# KiCad board SHVC-CPU-01.kicad_pcb (continued)
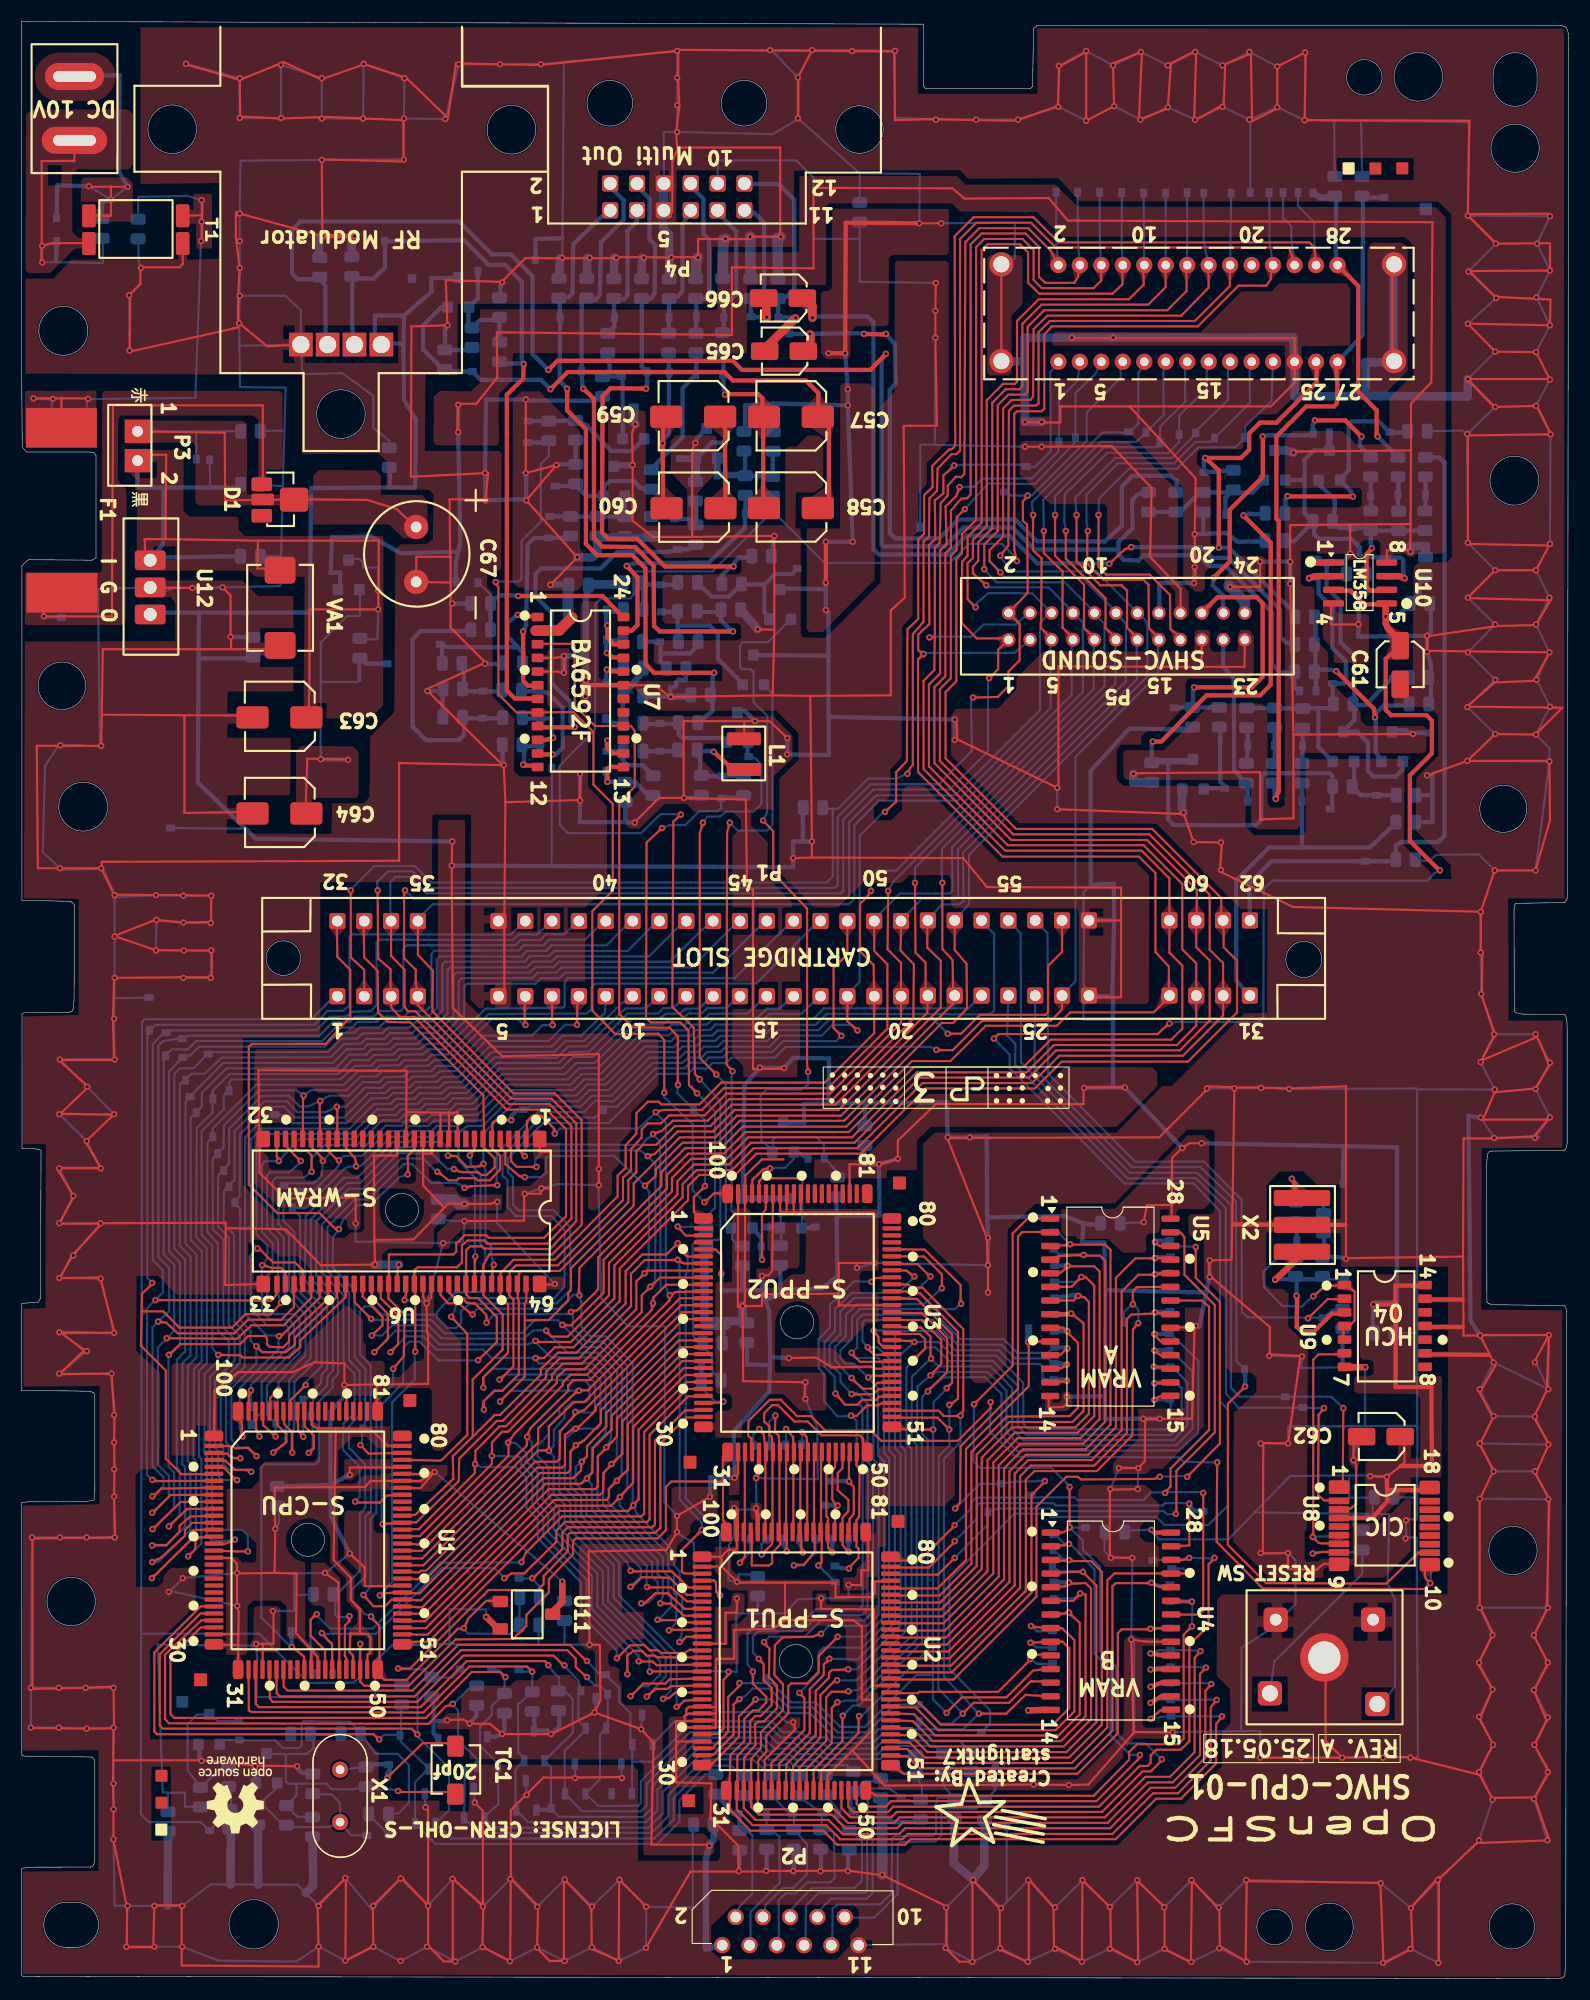
[diagram p0: board, top side]
## Routing (per net, layer and track width the routed paths; a pad name or vN(x,y) marks a point on that pad's centre or on a via; arc(x,y) is an arc through that point) (continued)
C.D1: length 254.5
  Top w0.2: 63.53,26.64 60.88,26.61 60.33,26.11 59.84,26.11 v1(59.76,26.03) ; v1(80.73,101.26) 80.68,95.81 81.93,94.56 P1.20 81.93,88.98 75.34,82.38 65.66,82.38 63.63,80.36 60.32,80.36 59.58,79.61 58.33,79.61 57.78,79.06 57.78,78.31 56.78,77.21 56.78,75.26 56.03,74.56 56.03,72.46 49.96,66.39 46.06,66.39 45.48,65.81 45.48,65.46 ; 106.42,159.46 106.58,158.56 106.58,157.46 104.96,155.84 95.03,155.84 93.23,154.04 93.23,148.26 92.98,147.96 91.68,147.96 90.43,146.71 90.43,135.01 89.13,133.71 89.13,132.01 88.63,131.41 88.63,130.81 v1(89.88,129.71) ; 45.41,64.91 45.43,63.61 45.83,63.21 45.83,57 44.59,55.76 v1(44.53,55.76) ; U3.14 61.54,62.04 52.42,52.91 52.33,52.91 51.68,52.61 50.18,50.91 50.13,48.36 49.83,48.11 47.84,48.11 37.69,37.96 37.23,37.96 37.03,37.81 36.68,37.81 35.63,37.94
  Bottom w0.2: v1(44.53,55.76) 45.03,56.24 52.65,56.24 53.4,55.49 53.43,52.96 53.2,52.69 51.58,52.71 51.2,52.06 50.1,50.94 50.1,45.31 51.13,44.29 51.13,42.56 55.18,38.49 55.15,35.46 60.5,30.04 60.48,26.81 v1(59.76,26.03) ; P6.12 TP160.1 ; 89.9,129.71 90.1,129.51 95.66,129.51 97.95,127.22 P5.8 ; 98.15,126.96 98.86,126.25 98.86,119.77 81.23,102.14 v1(80.73,101.26)
  vias: v1(51.59,52.75)
C.D2: length 235.1
  Top w0.2: v1(58.25,26.24) 58.31,26.24 59.03,26.96 60.18,26.96 60.48,27.21 63.53,27.29 ; U6.62 46.38,65.71 46.54,65.87 50.14,65.87 56.53,72.26 56.53,74.31 57.28,75.06 57.28,77.01 57.88,77.61 59.11,77.61 60.86,79.36 64.18,79.36 66.17,81.36 75.82,81.36 84.38,89.91 P1.21 84.21,91.73 84.21,94.58 83.28,95.51 v1(83.23,102.01) ; v1(96.28,136.26) 96.28,132.46 98.98,129.76 98.98,125.71 99.63,125.11 P5.9 ; U3.13 61.44,62.69 52.41,53.66 51.48,53.66 49.13,51.41 49.13,49.16 48.13,49.16 37.43,38.47 35.74,38.47 35.63,38.59 ; 46.21,64.91 46.23,63.31 46.33,63.06 46.33,56.24 44.79,54.71 44.08,54.71 43.03,53.71 42.98,52.91
  Bottom w0.2: v1(43.08,52.96) 43.08,53.8 44.02,54.74 44.78,54.74 45.83,55.74 52.45,55.69 52.9,55.24 52.9,53.96 52.65,53.71 51.35,53.71 50.6,53.06 50.58,52.19 49.6,51.11 49.58,49.56 49.18,49.16 49.6,48.54 49.55,45.14 50.6,44.14 50.6,42.31 54.68,38.19 54.63,35.14 60,29.84 60,28.09 58.25,26.26 ; 105.83,142.71 105.65,142.56 100.83,142.56 96.28,138.01 v1(96.28,136.26) ; 99.88,124.51 99.88,120.05 83.23,103.4 v1(83.23,102.01) ; P6.13 108.38,149.71 108.4,146.79 106.08,144.51 106.05,143.46 106.05,143.09
  vias: v1(49.14,49.14)
C.D3: length 262.7
  Top w0.2: 85.78,101.81 85.78,95.86 86.73,94.81 86.78,92.31 P1.22 86.93,90.91 76.35,80.33 66.65,80.33 64.63,78.31 61.33,78.31 57.03,74.01 57.03,71.96 51.18,66.11 51.18,64.21 51.13,64.01 50.93,63.81 50.93,63.11 49.13,61.31 46.88,61.26 ; v1(56.73,26.28) 56.74,26.28 57.93,27.46 59.98,27.46 60.38,27.86 63.53,27.94 ; 46.88,61.26 46.88,56.03 44.58,53.73 v1(44.58,53.71) ; 46.88,61.26 46.88,62.86 47.03,63.06 47.03,64.41 ; v1(89.68,131.21) 89.68,133.5 90.93,134.76 90.93,146.47 91.93,147.46 93.53,147.46 93.73,147.76 93.73,153.77 95.27,155.32 106.73,155.32 108.53,157.11 108.53,158.31 108.42,159.46 ; 35.63,39.24 36.53,39.11 37.33,39.11 48.13,49.91 48.13,51.21 51.83,54.76 52.76,54.76 61.34,63.34 U3.12
  Bottom w0.2: v1(85.78,102.01) 85.7,103.01 85.75,105.19 100.88,120.31 100.88,126.14 99.88,127.14 ; v1(56.73,26.28) 57.75,27.21 58.38,27.21 59.5,28.31 59.48,29.56 54.18,34.91 54.15,37.91 50.05,42.04 50.1,43.74 49.1,44.84 49.1,47.61 48.08,48.64 48.08,49.61 49.1,50.66 49.1,51.39 50.1,52.41 50.1,53.19 51.9,54.74 45.53,54.71 v1(44.58,53.71) ; 89.6,131.26 90.8,129.99 97.18,129.99 99.95,127.22 P5.10 ; P6.14 TP159.1
  vias: v1(51.92,54.73)
C.D4: length 213.3
  Top w0.2: v1(97.28,134.76) 97.28,132.2 100.98,128.5 100.98,125.71 101.53,125.21 P5.11 ; 63.53,28.59 58.53,28.59 v1(58.52,28.58) ; v1(59.08,80.66) 59.78,80.86 63.39,80.86 65.42,82.9 75.11,82.9 80.66,88.44 80.66,94.43 79.43,95.66 P1.50 ; 47.01,78.41 47.08,79.06 47.08,79.81 47.63,80.36 48.38,80.36 49.63,79.11 49.63,78.71 ; U3.11 60.93,63.91 60.38,63.51 60.38,63.15 52.94,55.71 51.42,55.71 50.93,55.22 50.93,54.71 47.43,51.26 47.08,50.51 47.08,49.62 37.26,39.81 36.63,39.81 35.63,39.89
  Bottom w0.2: 60.33,63.71 60.03,64.39 60.03,79.66 59.05,80.59 57.45,79.14 50.15,79.14 v1(49.68,78.66) ; 58.48,28.54 58.48,29.81 53.63,34.66 53.65,37.71 49.58,41.79 49.6,43.59 48.55,44.56 48.58,47.41 47.55,48.44 47.55,49.89 v1(47.11,50.43) ; 101.88,124.94 101.9,120.56 86.68,105.31 86.73,101.29 86.45,101.01 81.81,101.01 79.43,98.63 P1.50 ; P6.15 110.4,149.66 110.4,148.04 107.85,145.54 107.83,144.34 107.83,143.96 ; 107.83,143.51 107.83,143.06 106.83,142.01 101.15,142.04 97.18,138.19 97.13,135.81 v1(97.28,134.76)
  vias: v1(60.38,63.61)
C.D5: length 245
  Top w0.2: 110.42,159.46 110.58,158.51 110.58,157.41 108.03,154.81 95.58,154.81 94.28,153.56 94.23,147.26 93.98,146.96 92.22,146.96 91.44,146.17 91.44,134.24 90.18,132.98 90.18,131.96 v1(91.18,130.91) ; 63.53,64.64 63.48,64.59 60.06,64.59 58.83,63.35 58.83,62.81 58.73,62.26 52.68,56.21 51.15,56.21 50.43,55.48 50.43,55.24 45.95,50.76 v1(45.33,49.89) ; 45.38,49.96 45.38,48.68 37.11,40.41 36.83,40.41 35.63,40.54 ; P1.51 81.93,97.46 81.88,95.71 83.13,94.41 83.08,89.36 75.59,81.87 65.94,81.87 63.93,79.86 60.68,79.86 59.63,78.91 v1(58.82,78.62) ; 46.78,76.61 46.18,77.41 46.21,78.41 ; v1(57.49,29.54) 57.51,29.51 58.78,29.51 59.18,29.16 63.53,29.24
  Bottom w0.2: 110.1,165.86 110.13,161.66 P6.16 ; P1.51 83.83,100.51 86.93,100.49 87.25,100.81 87.23,105.11 102.87,120.75 102.87,126.15 101.98,127.04 ; 46.85,76.59 46.83,77.16 47.4,77.66 57.78,77.61 58.25,78.16 58.85,78.54 59.48,77.91 59.53,64.09 58.85,63.41 v1(58.83,62.86) ; v1(45.33,49.89) 46,49.86 47.05,48.89 47.05,48.09 48.08,47.14 48.03,44.31 49.08,43.24 49.05,41.56 53.15,37.46 53.1,34.41 57.48,30.04 57.48,29.61 ; 91.15,130.89 91.54,130.49 98.69,130.49 101.95,127.23 P5.12
  vias: v1(46.88,76.56)
C.D6: length 218.6
  Top w0.2: 45.41,78.41 45.38,77.66 45.58,77.31 45.63,76.06 46.13,75.56 v1(47.98,75.56) ; v1(58.33,76.56) 58.98,76.76 61.13,78.86 64.43,78.86 66.43,80.86 76.1,80.86 85.63,90.38 85.63,94.76 84.38,95.96 84.38,97.56 P1.52 ; 98.28,136.11 98.28,131.96 100.48,129.71 102.48,129.71 102.99,129.2 102.99,125.75 103.53,125.21 P5.13 ; v1(56.44,28.32) 56.43,28.34 56.43,30.06 57.03,30.51 57.78,30.51 58.23,30.06 58.98,30.06 59.23,29.91 63.53,29.89 ; 62.83,65.21 62.78,65.26 59.47,65.26 58.63,64.41 57.78,63.61 57.78,62.06 52.42,56.71 50.68,56.71 49.88,55.96 49.88,55.46 45.33,50.91 44.78,50.91 43.83,49.91 43.83,47.92 37.1,41.19 35.63,41.19
  Bottom w0.2: v1(56.44,28.32) 56.45,30.29 52.63,34.21 52.63,37.16 48.6,41.24 48.6,43.01 47.58,44.06 47.58,46.84 46.55,47.84 46.55,48.39 46.43,48.54 46.18,48.59 v1(43.81,48.66) ; P6.17 112.38,149.59 112.38,146.94 109.63,144.29 ; v1(58.58,64.41) 59.03,64.94 59.05,75.84 v1(58.33,76.56) 57.6,77.11 48.65,77.06 47.88,76.24 47.83,75.66 ; v1(98.28,136.26) 98.15,137.86 101.88,141.56 107.18,141.56 109.03,143.46 109.18,143.61 ; 103.88,124.24 103.9,120.96 87.7,104.84 87.75,100.31 87.35,100.01 85.7,99.99 P1.52
C.D7: length 250.7
  Top w0.2: 58.03,73.76 59.08,74.71 59.08,75.31 61.58,77.82 64.88,77.82 66.91,79.85 76.61,79.85 85.73,88.96 86.78,88.96 88.08,90.31 88.03,94.46 86.93,95.76 P1.53 ; 44.61,78.41 44.63,77.36 45.08,76.86 45.08,75.81 46.38,74.71 46.68,74.61 ; 35.63,41.84 37.01,41.84 42.23,47.05 42.23,47.86 v1(42.25,47.88) 42.28,47.91 42.28,49.11 44.53,51.41 45.13,51.41 49.43,55.81 49.43,56.25 50.42,57.24 52.19,57.24 57.28,62.32 57.28,64.91 57.98,65.56 58.33,65.91 63.5,65.91 U3.8 ; 112.42,159.46 112.56,159.31 112.56,157.58 109.3,154.31 95.78,154.31 94.74,153.27 94.74,146.66 94.52,146.44 92.45,146.44 91.98,145.96 91.93,133.41 v1(91.18,132.46) ; 63.53,30.54 62.28,30.61 61.73,30.31 59.58,30.31 59.28,30.56 58.53,30.56 57.98,31.06 56.68,31.01 v1(55.46,29.81)
  Bottom w0.2: 55.48,29.84 55.45,30.54 52.15,33.84 52.13,36.89 48.1,40.99 48.08,42.76 47.03,43.84 47.05,46.61 46.03,47.61 42.83,47.61 v1(42.25,47.88) ; P5.14 100.13,131.01 92.35,130.99 91.18,132.34 ; P6.18 112.68,165.81 ; v1(46.88,74.61) 48.35,74.61 48.88,74.99 48.85,76.41 49.1,76.56 55.2,76.59 v1(58.08,73.81) 58.48,73.24 58.4,66.14 57.98,65.71 ; 104.1,127.04 104.88,126.26 104.88,121.24 88.25,104.61 88.25,100.04 P1.53
  vias: v1(58.03,65.66)
C.RD: length 111
  Top w0.2: v1(26.24,50.44) 25.78,50.96 U1.92 ; 42.21,64.91 42.23,66.81 v1(42.28,67.21)
  Bottom w0.2: 40.68,78.86 38.91,78.87 38.4,78.36 36.59,78.36 36.09,77.86 34.59,77.86 31.29,74.56 30.05,74.56 26.48,70.99 26.4,64.99 28.48,62.91 28.48,56.76 27.98,56.26 27.9,55.44 26.7,54.21 26.33,53.74 ; 40.68,78.86 40.93,78.86 41.53,79.38 43,79.38 45.81,82.2 51.66,82.2 52.7,83.24 54.45,83.24 58.05,86.79 60.75,86.71 61.3,87.26 62.58,87.26 63.05,87.79 64.36,87.79 64.84,88.26 68.9,88.26 69.9,89.29 73.75,89.34 74.74,90.32 88.19,90.32 89.33,91.46 ; 40.68,78.86 40.73,76.14 42.25,74.54 42.23,68.06 v1(42.28,67.21) ; 89.05,91.09 89.05,91.16 ; 26.23,53.89 26.23,53.34 v1(26.24,50.44) ; 89.28,91.41 89.38,91.41
C.RW: length 123.6
  Top w0.2: v1(43.99,66.45) 43.88,66.33 43.88,65.86 43.81,64.91 ; U1.91 26.38,51.41 27.23,50.56 27.23,49.36 v1(26.75,48.94) ; v1(43.04,75.85) 42.91,75.85 42.68,75.61 41.48,75.56 40.53,76.56 v1(39.73,76.61)
  Bottom w0.2: 89.33,98.46 90.6,97.26 90.6,90.09 90.5,90.01 90.3,89.84 90.1,89.76 75.03,89.81 73.95,88.79 70.23,88.79 69.13,87.79 65.13,87.76 64.6,87.29 63.35,87.29 62.83,86.79 61.58,86.76 61.03,86.24 58.3,86.26 54.68,82.71 52.93,82.71 51.8,81.66 46.03,81.69 43.03,78.66 43.03,75.86 43.23,75.25 43.23,68.74 43.75,68.16 43.75,67.39 v1(43.99,66.45) ; v1(39.73,76.61) 39.68,77.36 39.13,77.89 36.9,77.86 36.45,77.41 34.85,77.34 31.58,74.09 30.33,74.06 26.95,70.69 26.95,65.17 29,63.11 29,56.59 28.5,56.06 28.48,55.21 27.15,53.89 27.08,52.84 27.08,52.46 27.1,51.79 27.13,49.41 v1(26.75,48.94)
CHR.0: length 9
  Top w0.2: 75.85,49.01 75.78,47.56 75.53,47.31 75.53,44.61 75.88,43.96 ; v1(76.03,44.03) 75.78,43.78 75.78,41.61 U2.85
  Bottom w0.4: TP205.1 75.98,44.06
CHR.1: length 11.6
  Top w0.2: U3.47 76.48,47.51 76.03,47.06 76.03,45.46 77.03,44.56 77.03,43.51 76.48,42.91 76.5,41.56 76.48,40.36 77.03,39.66
  Bottom w0.4: TP202.1 77.03,39.66
  vias: v1(77.09,39.71)
CHR.2: length 9.4
  Top w0.2: 77.15,41.56 77.13,42.76 77.53,43.26 77.53,45.76 77.08,46.21 77.08,48.94 U3.48
  Bottom w0.4: TP206.1 77.03,46.31
  vias: v1(77.09,46.27)
CHR.3: length 12.7
  Top w0.2: U3.49 77.77,48.98 77.77,47.82 78.08,47.51 78.03,43.01 77.78,42.66 77.8,41.56 77.78,40.21 77.98,40.01 77.98,39.16 77.08,38.26
  Bottom w0.4: 77.03,38.16 76.38,38.21 TP203.1
  vias: v1(77.08,38.16)
CI.D1: length 69.4
  Top w0.2: v1(121.33,53.11) 120.83,52.46 120.78,45.01 121.33,44.51 121.98,44.51 U8.2
  Bottom w0.2: P1.24 91.8,87.79 92.58,87.04 92.55,85.06 103.05,74.49 109.4,74.51 112.18,71.74 112.2,54.46 113.35,53.14 118.63,53.14 119.23,53.11 ; 119.93,53.14 TP147.1 ; 119.93,53.14 v1(121.33,53.11) ; 119.93,53.14 119.83,53.14
CI.D2: length 74.3
  Top w0.2: U8.1 123.08,46.11 123.13,52.91
  Bottom w0.2: v1(123.13,53.11) 122,54.16 TP148.1 113.48,54.16 112.65,54.99 112.7,71.99 109.5,75.01 103.23,75.01 93.1,85.29 93.08,97.29 P1.55
CI.RST: length 84.6
  Top w0.2: U8.11 130.13,39.66 127.13,36.76 115.93,36.81 112.37,40.37 112.37,53.51 113.93,55.06 113.98,55.06
  Bottom w0.2: 113.58,57.06 113.18,57.49 113.13,72.34 109.83,75.54 103.45,75.54 94.35,84.71 P1.25
  Bottom w0.4: v1(113.98,55.11) 113.98,55.12 113.98,56.66 TP149.1
CLK: length 24.6
  Top w0.2: U9.6 122.78,58.11 120.82,58.11 120.32,57.62 120.32,41.16 v1(120.28,41.11) 120.83,40.56 121.13,40.51 122.53,40.5
  Bottom w0.2: v1(120.28,41.11) 122.53,41.21 TP195.1
CLR0: length 10.7
  Top w0.2: U3.41 72.55,48.96 72.55,41.62 72.6,41.56 72.63,40.11 v1(72.78,39.66)
  Bottom w0.4: 72.78,39.71 72.49,40.51 TP199.1
CLR1: length 10.7
  Top w0.2: 73.25,41.56 73.19,41.63 73.19,48.95 U3.42 73.13,50.41 v1(72.73,50.86)
  Bottom w0.2: v1(72.73,50.86) 72.73,49.96 TP114.1
CLR2: length 15.7
  Top w0.2: U3.43 73.82,48.93 73.82,41.64 73.9,41.56 73.88,39.71 72.88,38.51 71.93,38.51
  Bottom w0.2: TP200.1 73.98,39.71 72.78,38.46 71.93,38.46
  vias: v1(71.94,38.46)
CO: length 17.7
  Top w0.4: v1(46.73,125.41) 46.73,120.81 47.18,120.36 47.53,120.36
  Bottom w0.4: 48.93,134.11 47.83,134.11 47.65,134.01 47.15,133.51 47,125.99 v1(46.73,125.41) ; TP63.1 50.99,134.14
COMP: length 12.9
  Bottom w0.4: P4.9 64.84,164.4 66.58,162.66 66.58,156.86 66.13,156.36 65.38,156.36 ; 65.44,156.24 TP19.1 65.38,153.28
CS: length 13.2
  Bottom w0.4: 55.18,156.39 TP31.1 55.23,153.81 R25.1 ; 55.18,156.31 56.13,156.34 56.45,156.74 56.45,162.7 57.34,163.58 P4.3
CSYNC: length 93.4
  Top w0.2: U3.100 64.53,73.11 v1(63.63,72.26) ; v1(44.18,130.01) 44.43,129.51 44.43,119.56 46.12,117.87 U7.8 51.41,117.91 53.28,116.05 53.28,111.15 55.08,109.35 55.08,101.28 53.18,99.38 53.18,90.11 55.33,87.91 59.33,87.96 59.88,87.36 v1(59.88,82.46)
  Bottom w0.2: v1(59.88,82.46) 59.85,82.44 59.85,82.06 62.53,79.54 62.53,73.39 v1(63.63,72.26) ; 49.13,142.71 49.13,141.76 48.38,140.99 48.38,135.61 46.58,133.84 46.58,130.24 46.2,130.04 44.53,130.06 v1(44.18,130.01)
  Bottom w0.4: R22.2 48.7,142.99 TP51.1
DC+: length 36
  Top w0.2: 8.33,166.81 6.28,166.81 ; 8.33,166.81 9.78,166.81 ; 8.33,166.81 8.33,164.11 T1.1
  Bottom w0.2: v1(9.88,166.81) v1(8.33,165.61) v1(6.28,166.86)
  Bottom w0.4: 8.23,165.56 8.33,165.71 7.48,165.27 C30.1 ; v1(9.88,166.81) 9.08,168.21 9.15,177.21 J1.1 ; TP236.1 3.33,166.96 6.28,166.85
DC-: length 30.1
  Top w0.2: 1.83,159.71 1.88,161.26 1.88,169.21 4.93,169.21 J1.2 ; v1(1.93,161.31) 2.88,161.56 6.58,161.56
  Bottom w0.2: v1(1.93,161.31) v1(1.93,159.76) 2.83,159.79 3.19,159.79 7.58,159.71 7.58,161.71
  Bottom w0.4: TP235.1 3.23,159.96
DCK: length 42.1
  Top w0.2: P5.17 107.63,125.16 107.03,125.61 106.98,128.81 105.08,130.71 101.03,130.71 100.33,131.41 100.33,136.11
  Bottom w0.2: P6.21 116.43,146.86 113.98,144.49 113.98,143.71 ; v1(100.33,136.26) 100.35,137.76 103.15,140.56 107.64,140.56 109.63,142.56 113.06,142.56 113.66,143.16 113.83,143.16
EXP: length 165.4
  Top w0.2: 82.58,112.41 83.03,113.01 83.03,125.16 84.03,126.31 84.03,133.76 84.53,134.21 84.58,137.81 85.28,138.51 85.33,140.56 86.63,141.91 87.08,141.91 87.42,142.26 87.42,161.94 88.94,163.46 94.04,163.46 96.34,161.16 118.08,161.16 P6.24 ; P1.2 31.93,93.91 30.68,95.06 v1(30.68,101.31)
  Bottom w0.2: P6.24 118.3,161.74 118.28,163.14 117.5,163.96 TP154.1 ; 75.58,108.86 75.58,102.61 75,102.04 38.18,102.04 36.65,103.56 32.86,103.56 30.68,101.38 v1(30.68,101.31) ; 75.58,108.86 75.53,108.91 74.74,108.91 R97.2 ; 75.58,108.86 75.62,108.91 76.05,108.91 78.85,111.71 81.5,111.71 82.5,112.19
  Bottom w0.4: 74.68,109.05 R97.2
  vias: v1(82.53,112.16)
EXT0: length 88.2
  Top w0.2: 66.88,27.46 66.88,27.26 65.83,26.21 65.83,22.96 64.33,21.41 63.53,21.44 ; U3.69 83.43,63.26 86.68,59.96 86.68,55.46 v1(86.18,54.96) ; 95.43,28.82 94.23,28.66 91.73,26.17 87.58,26.17 86.18,24.76 ; 84.88,51.11 82.33,51.11 U3.51
  Bottom w0.2: v1(86.18,54.96) 86.18,54.89 84.98,53.69 84.93,51.19 84.9,28.24 ; 69.88,27.49 69.91,27.49 71.68,25.71 73.98,25.71 76.26,23.43 78.55,23.43 83.35,28.24 84.9,28.24 ; 84.9,28.24 84.9,28.24 84.9,26 v1(86.17,24.73) ; v1(66.88,27.51) 69.48,27.5 ; 69.48,27.5 69.42,28 ; 69.48,27.5 69.83,27.5
  vias: v1(84.93,51.11)
EXT1: length 92
  Top w0.2: v1(87.68,24.66) 88.68,25.66 91.99,25.66 93.84,27.51 94.03,27.66 94.28,27.66 ; 94.28,27.66 95.32,27.66 95.43,27.55 ; 94.28,27.66 94.17,27.66 ; 86.48,53.41 87.23,53.96 87.23,60.21 83.68,63.81 82.68,63.81 82.38,63.96 81.88,63.96 U3.70 ; U3.52 82.08,52.21 85.33,52.21 v1(86.43,51.11) ; 63.53,20.79 64.43,20.81 66.33,22.71 66.33,25.51 v1(66.88,26.01)
  Bottom w0.2: v1(66.88,26.01) 67.45,26.34 68.08,26.99 69.67,26.99 71.42,25.24 73.71,25.24 76.03,22.91 78.76,22.91 81.34,25.5 82.48,25.5 TP241.1 84.18,25.16 85.55,23.74 86.63,23.71 v1(87.68,24.66) 85.4,26.99 85.45,48.64 86.45,49.66 86.4,51.21 86.43,51.24 86.43,53.39 86.4,53.41
  vias: v1(86.43,53.41)
EXT3: length 135.2
  Top w0.2: 68.13,28.56 68.13,27.46 69.38,26.21 69.38,25.71 68.68,24.96 68.13,24.96 67.33,24.16 67.33,22.11 66.03,20.81 65.98,18.61 65.78,17.51 ; 65.98,17.06 65.98,15.76 67.88,13.76 74.68,13.76 75.98,12.46 82.31,12.46 82.82,12.97 101.92,12.97 105.68,16.74 107.99,16.74 111.28,20.02 111.28,23.66 v1(111.83,24.41) ; v1(79.18,64.86) 79.53,65.21 U3.72 ; 107.13,25.04 106.08,24.96 v1(105.18,24.16) ; 77.43,52.36 77.78,52.36 78.78,53.36 79.78,53.36 80.13,53.56 U3.54
  Bottom w0.2: v1(111.83,24.41) TP179.1 106.18,24.36 v1(105.18,24.16) ; v1(68.13,28.57) 67.63,29.29 67.63,32.11 68.4,32.84 72.45,32.84 74,34.39 78.05,34.39 78.35,34.69 78.35,47.09 77.83,47.66 77.78,51.94 77.3,52.36 76,52.34 74.75,53.76 74.78,56.26 74.25,56.79 74.25,59.54 75.3,60.59 75.3,62.71 77.55,64.91 79.13,64.86
  vias: v1(77.28,52.41)
EXT4: length 140.3
  Top w0.2: 66.75,17.51 66.68,18.46 66.68,20.71 67.88,21.96 67.88,23.96 68.35,24.44 68.85,24.44 69.88,25.46 69.88,27.06 69.13,27.76 69.13,29.26 68.78,29.66 ; 83.18,65.31 82.63,65.76 82.43,65.91 U3.73 ; 111.28,25.86 110.78,25.26 110.78,20.3 107.72,17.25 105.41,17.25 101.63,13.46 82.54,13.46 82.04,12.96 76.28,12.96 74.96,14.27 68.11,14.27 66.63,15.76 U2.32 ; v1(75.83,54.46) 76.73,53.41 77.88,53.41 78.28,53.86 79.63,53.86 79.88,54.16 U3.55
  Top w0.4: v1(105.18,25.66) 106.23,26.31 107.33,26.27
  Bottom w0.2: v1(111.33,25.94) 110.73,25.96 107.03,25.91 ; v1(105.18,25.66) 105.73,25.96 TP178.1 ; 83.04,65.3 82.93,65.09 81.65,63.81 77.35,63.84 75.78,62.34 75.78,60.29 74.8,59.24 74.8,56.96 75.75,56.01 75.75,54.96 75.88,54.44 76.78,53.41 78.08,53.44 78.33,53.19 78.35,47.91 78.85,47.36 78.8,34.34 78.31,33.85 74.23,33.85 72.71,32.33 68.63,32.33 68.13,31.83 68.13,30.36 v1(68.68,29.76)
  vias: v1(83.18,65.36)
EXT5: length 138.7
  Top w0.2: 67.28,17.26 67.28,15.86 68.38,14.76 75.18,14.76 76.48,13.46 81.78,13.46 82.3,13.99 101.4,13.99 105.18,17.76 107.48,17.76 110.28,20.56 110.28,26.76 v1(110.83,27.42) ; 67.4,17.51 67.28,18.36 67.33,20.56 68.38,21.76 68.33,23.66 68.63,23.91 69.13,23.91 70.38,25.16 70.38,27.26 69.63,28.06 69.68,30.71 69.23,31.16 ; U3.74 81.15,66.51 83.47,66.51 84.57,65.41 84.73,65.41 ; 77.28,54.36 79.33,54.41 79.88,54.86 U3.56
  Top w0.4: 107.33,27.54 106.23,27.56 v1(105.18,27.16)
  Bottom w0.2: v1(110.83,27.42) 110.08,27.51 107.08,27.46 ; v1(69.17,31.32) 69.68,31.84 72.95,31.81 74.48,33.34 78.53,33.34 79.33,34.14 79.33,47.58 78.81,48.1 78.81,53.55 77.83,54.54 77.35,54.39 76.3,55.54 76.28,56.29 75.28,57.26 75.28,59 76.27,59.99 76.27,62.08 77.55,63.36 82.65,63.36 84.75,65.39 ; TP177.1 105.73,27.46 v1(105.18,27.16)
  vias: v1(77.33,54.41) v1(84.68,65.36)
EXT6: length 139.2
  Top w0.2: 85.73,64.31 85.73,65.56 84.08,67.21 U3.75 ; 67.98,17.56 67.98,15.96 68.68,15.26 75.48,15.26 76.74,14 81.56,14 82.05,14.49 101.17,14.49 104.94,18.26 107.22,18.26 109.78,20.81 109.78,28.36 v1(110.33,28.95) ; 74.43,32.11 73.68,31.81 70.88,31.76 70.18,31.01 70.13,28.26 70.93,27.41 70.93,24.97 68.88,22.92 68.88,21.46 67.98,20.46 67.98,18.46 68.05,17.51 ; U3.57 79.73,55.46 79.18,54.91 78.38,54.91 77.38,55.81
  Top w0.4: 107.33,28.81 106.08,28.81 v1(105.18,28.76)
  Bottom w0.2: 74.53,32.11 75.2,32.84 78.8,32.84 79.84,33.88 79.84,47.83 79.35,48.32 79.35,53.91 77.35,55.84 75.8,57.51 75.8,58.81 76.75,59.74 76.8,61.84 77.8,62.74 84.08,62.79 v1(85.73,64.26) ; v1(110.33,28.95) 109.53,29.01 105.73,29.01 v1(105.18,28.76)
  vias: v1(74.48,32.09) v1(77.33,55.91)
EXT7: length 137.8
  Top w0.2: 78.98,55.96 79.23,56.11 80.13,56.11 U3.58 ; v1(109.82,30.48) 109.28,29.86 109.28,21.07 106.98,18.77 104.68,18.77 100.92,15.01 81.79,15.01 81.27,14.49 77,14.49 75.72,15.76 69.08,15.76 68.58,16.16 68.58,17.36 ; 87.48,62.81 87.48,64.56 84.13,67.86 U3.76 ; 75.93,31.76 75.93,31.71 74.24,30.02 74.24,28.54 73.17,27.47 71.69,27.47 71.43,27.21 71.43,24.69 69.38,22.64 69.38,21.11 68.63,20.31 68.63,18.41 68.7,17.51
  Top w0.4: v1(105.18,30.26) 106.13,30.11 107.33,30.08
  Bottom w0.2: v1(105.18,30.26) 105.93,30.56 TP175.1 108.93,30.56 v1(109.82,30.48) ; 87.45,62.84 86.95,62.31 78.13,62.34 77.35,61.56 77.35,59.55 76.28,58.48 76.28,57.76 76.68,57.26 77.55,57.24 78.9,55.91 79.78,54.96 79.8,48.69 80.36,48.13 80.36,33.63 78.55,31.82 v1(76.02,31.82)
  vias: v1(78.88,55.96) v1(87.53,62.81)
FIELD: length 11.6
  Top w0.2: 69.35,41.56 69.29,41.62 69.29,48.95 69.35,49.01 69.18,50.31 69.13,50.66 v1(68.73,51.16)
  Bottom w0.2: v1(68.73,51.16) 68.18,50.66 68.13,49.91 TP111.1
G: length 60
  Top w0.4: v1(66.28,125.41) 59.48,125.41 58.93,125.91 58.88,131.51 57.18,133.26 54.08,133.31 53.33,134.11 53.33,147.06 v1(52.33,148.01)
  Bottom w0.4: P4.2 54.84,166.81 56.09,165.55 56.09,163.75 53.98,161.64 53.88,156.81 53.53,156.31 52.98,156.31 ; 66.18,125.46 65.18,126.41 R14.2 64.96,127.23 63.01,127.23 R13.1 ; 52.2,156.29 52.18,155.21 52.18,150.26 TP43.1 52.2,149.01 52.23,148.49 v1(52.33,148.01)
HBLANK: length 62.4
  Top w0.2: U1.43 28.28,30.56 26.93,31.91 26.93,33.41 27.38,33.86 ; v1(46.58,38.76) 46.98,39.61 46.98,39.64 50.35,43.02 57.73,43.02 58,43.29 58,50.88 62.01,54.89 U3.25
  Bottom w0.2: 27.38,28.26 27,28.74 26.92,28.82 26.92,33.34 v1(27.5,33.92) 27.5,33.81 28.72,32.59 32.73,32.59 39,38.71 46.6,38.74
HCLD: length 10.6
  Top w0.2: U3.39 71.22,48.94 71.22,41.64 71.3,41.56 71.28,39.91 v1(71.28,39.76)
  Bottom w0.4: TP198.1 70.94,40.49 71.33,39.76
II1: length 30.2
  Top w0.6: U10.2 120.49,130.56 v1(119.93,130.36)
  Bottom w0.4: 120.8,118.26 120.8,114.66 121.73,113.71 122.22,113.3 ; 120.8,118.26 120.5,118.26 119.53,118.25 ; 120.8,118.26 122.08,118.26 R63.2 ; R61.2 R60.2 ; 119.33,118.24 116.85,118.24 ; v1(119.93,130.36) 120.43,130.49 120.82,130.09 120.82,128.94 122.1,127.66 122.1,123.88 123.37,122.61 123.37,120.76 123.2,120.59 122.7,120.56 122.18,120.56 ; TP69.1 122.14,119.05
II2: length 20.8
  Top w0.4: U10.6 127.08,129.21 125.64,129.21 125.29,129.55 125.29,132.62 125.73,133.06 125.78,133.06
  Bottom w0.4: 120.92,139.5 120.93,139.01 122.33,137.71 122.33,136.66 R56.2 122.73,135.06 123.89,135.06 TP96.1 123.92,135.02 125.47,135.02 R53.1 R54.1 R55.1 ; 125.67,134.7 125.68,133.99 125.68,133.66 v1(125.78,133.16)
IRQ: length 230.4
  Top w0.2: v1(30.55,33.73) 30.55,33.29 30.13,32.86 30.13,30.06 30.28,29.71 U1.46 ; v1(44.33,73.86) 41.88,73.76 v1(41.28,73.61) ; v1(77.88,88.26) 76.93,89.11 76.93,90.41 ; 76.93,90.41 P1.18 ; 76.93,90.41 76.93,90.51 ; v1(80.43,108.61) 81.48,109.56 81.48,112.31 82.48,113.36 82.53,125.61 83.53,126.56 83.53,133.81 83.58,134.01 84.08,134.51 84.08,138.11 84.88,138.86 84.83,140.81 86.43,142.36 86.63,142.36 86.83,142.51 86.98,142.76 86.93,162.21 88.69,163.98 94.26,163.98 96.61,161.63 119.98,161.63 120.28,161.31 120.43,161.01 P6.26
  Bottom w0.2: 44.25,74.01 44.3,76.86 48.13,80.66 52.4,80.66 53.45,81.71 54.98,81.66 55.23,81.71 58.78,85.24 61.55,85.24 62.1,85.74 63.33,85.74 63.86,86.26 65.13,86.26 65.6,86.76 69.69,86.75 70.7,87.79 74.55,87.79 75.54,88.78 77.36,88.78 v1(77.88,88.26) ; P6.26 120.43,161.24 120.4,163.49 118.9,165.04 TP153.1 ; v1(30.55,33.73) 30.47,33.64 29.43,33.64 29.23,33.85 29.23,34.79 29.23,34.79 29.23,35.55 R92.2 29.36,35.76 30.05,36.46 30.05,36.46 31.53,37.94 31.53,43.26 32.03,43.81 32,47.89 30.5,49.41 30.53,51.41 31.53,52.49 31.5,56.54 30.5,57.56 30.5,63.86 28.5,65.86 28.5,69.96 31.03,72.51 32.3,72.54 35.6,75.81 36.4,75.81 38.18,74.06 40.55,74.06 40.9,73.91 v1(41.28,73.61) ; 80.4,108.71 78.08,106.39 78.08,92.76 77.65,92.36 P1.18
J1.D0: length 81.7
  Top w0.2: U1.32 21.18,24.96 21.43,24.81 37.43,24.76 41.71,29.05 47.09,29.05 47.48,28.66
  Bottom w0.2: DA8.1 46.83,20.56 46.28,21.04 46.25,25.51 R81.2 v1(47.58,28.56) 46.63,28.56 TP211.1 ; R87.1 73.78,19.81 71.95,19.76 71.43,20.39 69.68,20.36 68.63,21.41 63.05,21.41 59.23,17.59 59.23,15.64 58.15,14.56 47.19,14.56 DA3.1 46.03,16.01 46,19.44 46.78,20.29
J1.D1: length 83.9
  Top w0.2: 49.18,29.16 48.79,29.55 41.46,29.55 37.18,25.26 22.13,25.26 21.83,25.56 U1.33
  Bottom w0.2: R82.2 50.09,26.85 50.09,28 49.53,28.56 v1(49.08,29.16) ; R88.1 76.9,19.86 74.43,19.86 73.93,20.39 72.13,20.36 71.53,20.89 69.89,20.89 68.87,21.9 62.75,21.9 58.73,17.88 58.73,15.81 57.85,15.04 50.05,15.06 TP15.1 49.33,19.69 DA8.2 51.35,22.86 51.33,26.04 50.4,26.96 50.08,26.96 49.98,26.86 49.98,26.81
  Bottom w0.4: TP15.1 49.19,15.71 47.99,15.71 DA3.2
J1.OE: length 84.3
  Top w0.2: 23.1,28.76 23.13,26.11 23.38,25.76 36.87,25.76 41.18,30.07 49.56,30.07 50.52,29.11 50.63,29.11
  Bottom w0.2: TP12.1 51.88,26.21 51.88,24.01 DA7.1 52.57,23.16 50.6,21.19 50.6,17.25 DA2.1 52.2,15.59 57.7,15.56 58.23,16.09 58.23,18.12 62.53,22.43 69.12,22.43 70.14,21.41 71.9,21.41 72.4,20.89 74.23,20.89 74.7,20.44 80,20.44 80.25,20.61 82.83,20.64 R89.1 ; 50.58,29.11 51.88,27.71 52.08,26.86
  vias: v1(50.58,29.16)
J2.D0: length 88.8
  Top w0.2: U1.27 16.78,33.36 13.38,30.16 13.38,24.16 13.73,23.76 37.93,23.71 39.53,25.36 40.08,25.45
  Bottom w0.2: R79.2 41.9,27.24 40.18,25.51 40.68,24.94 40.68,22.18 42.5,20.36 DA9.1 41.68,19.79 TP10.1 41.3,19.04 DA4.1 42.61,13.56 58.7,13.56 60.25,15.11 60.25,17.09 63.56,20.4 68.12,20.4 68.23,20.28 R85.1 69.73,18.92
  vias: v1(40.18,25.56)
J2.D1: length 94.9
  Top w0.2: U1.28 16.73,32.71 13.88,29.86 13.88,24.61 14.23,24.26 37.66,24.26 41.94,28.54 44.6,28.54 45.03,28.11
  Bottom w0.2: TP16.1 44.53,28.66 45,27.89 R80.2 43.8,25.36 43.8,24.54 42.71,23.45 42.71,21.68 44.38,20.01 DA9.2 44.43,16.21 43.48,15.39 DA4.2 44.05,14.06 58.38,14.04 59.73,15.34 59.73,17.35 63.27,20.9 68.39,20.9 69.43,19.86 71.23,19.86 R86.1